# KiCad board SparkFun_IoT_RedBoard-RP2350_panelized.kicad_pcb (continued)
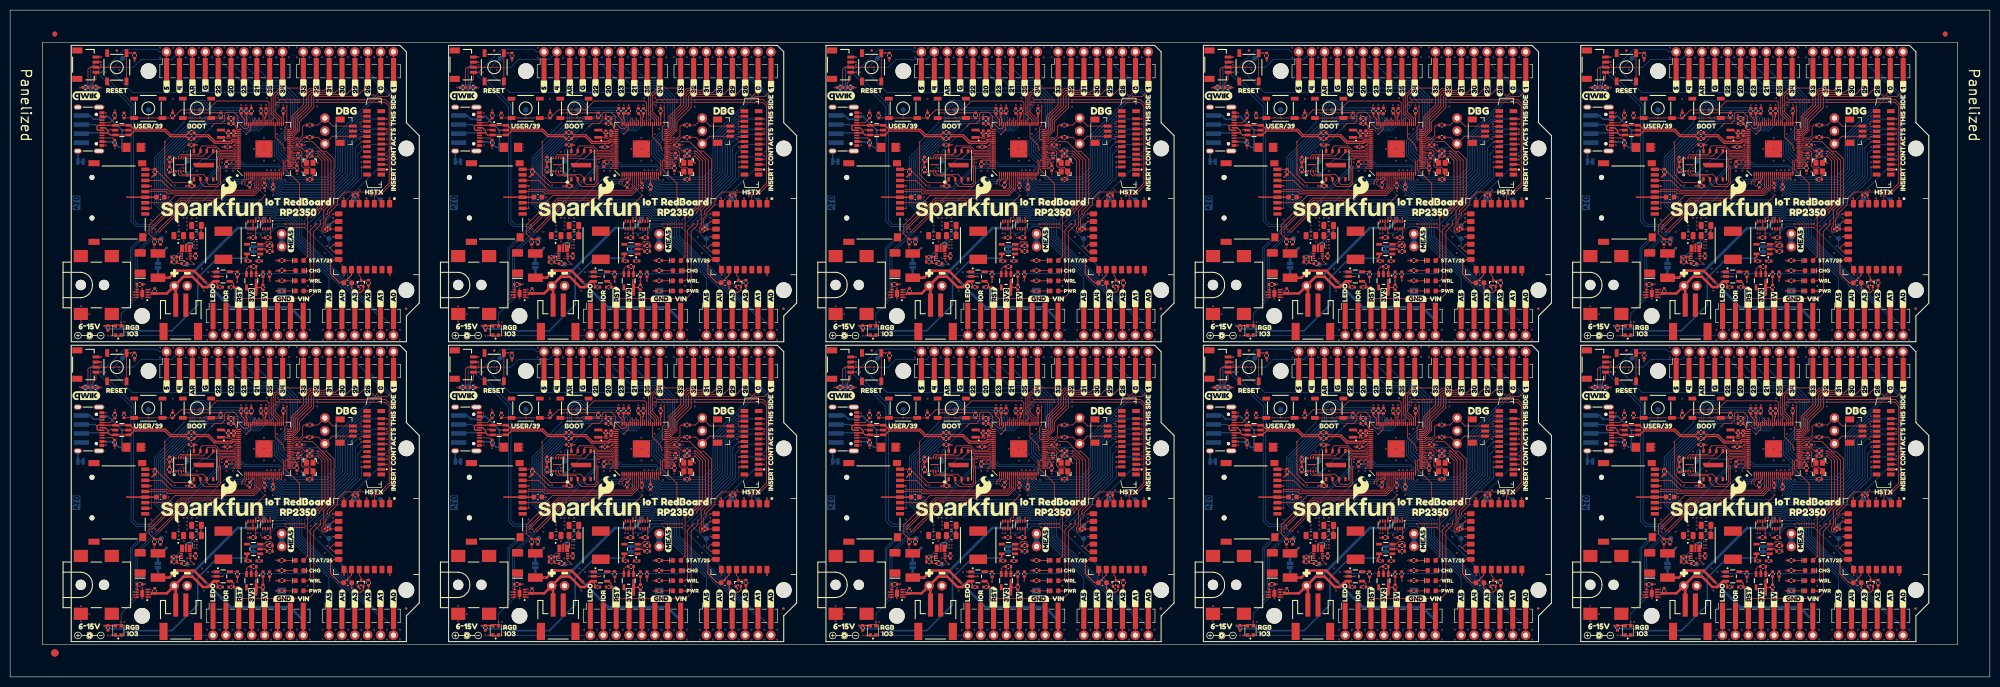
[diagram p0: board, top side]
## Routing (per net, layer and track width the routed paths; a pad name or vN(x,y) marks a point on that pad's centre or on a via; arc(x,y) is an arc through that point) (continued)
/Core/5V_SRC: length 349.1
  Top w0.15: v1(55.92,102.33) 55.62,102.33 55.27,102.68 U1#6.27 ; U6#8.8 v1(271.45,28.36) 271.45,27.47 R18.1 ; U6.8 v1(48.37,28.36) 48.37,27.47 R18#10.1 ; U6#7.8 v1(271.45,87.48) 271.45,86.59 R18#3.1 ; R18#7.1 122.73,27.47 v1(122.73,28.36) U6#4.8 ; v1(358.01,44.06) 358.11,44.06 359.46,42.71 359.46,34.26 v1(358.06,32.86) ; U1#10.27 352.71,43.56 353.06,43.21 v1(353.36,43.21) ; U6#6.8 v1(197.09,87.48) 197.09,86.59 R18#4.1 ; v1(283.65,103.18) 283.75,103.18 285.1,101.83 285.1,93.38 v1(283.7,91.98) ; v1(209.29,103.18) 209.39,103.18 210.74,101.83 210.74,93.38 v1(209.34,91.98) ; v1(60.62,32.86) 62.02,34.26 62.02,42.71 60.67,44.06 v1(60.57,44.06) ; v1(54.12,30.16) v1(58.02,30.16) ; U1#8.27 278.35,43.56 278.7,43.21 v1(279,43.21) ; U1#7.27 203.99,43.56 204.34,43.21 v1(204.64,43.21) ; U1#3.27 203.99,102.68 204.34,102.33 v1(204.64,102.33) ; v1(128.48,30.16) v1(132.38,30.16) ; v1(202.84,30.16) v1(206.74,30.16) ; U6#9.8 v1(197.09,28.36) 197.09,27.47 R18#5.1 ; U1#9.27 352.71,102.68 353.06,102.33 v1(353.36,102.33) ; v1(351.56,30.16) v1(355.46,30.16) ; v1(128.48,89.28) v1(132.38,89.28) ; R18#6.1 345.81,86.59 v1(345.81,87.48) U6#5.8 ; v1(130.28,43.21) 129.98,43.21 129.63,43.56 U1#4.27 ; v1(283.65,44.06) 283.75,44.06 285.1,42.71 285.1,34.26 v1(283.7,32.86) ; U1.27 55.27,43.56 55.62,43.21 v1(55.92,43.21) ; U6#10.8 v1(345.81,28.36) 345.81,27.47 R18#2.1 ; v1(134.98,32.86) 136.38,34.26 136.38,42.71 135.03,44.06 v1(134.93,44.06) ; v1(130.28,102.33) 129.98,102.33 129.63,102.68 U1#5.27 ; v1(351.56,89.28) v1(355.46,89.28) ; v1(134.98,91.98) 136.38,93.38 136.38,101.83 135.03,103.18 v1(134.93,103.18) ; v1(209.29,44.06) 209.39,44.06 210.74,42.71 210.74,34.26 v1(209.34,32.86) ; v1(279,102.33) 278.7,102.33 278.35,102.68 U1#2.27 ; v1(202.84,89.28) v1(206.74,89.28) ; R18#8.1 122.73,86.59 v1(122.73,87.48) U6#3.8 ; v1(358.01,103.18) 358.11,103.18 359.46,101.83 359.46,93.38 v1(358.06,91.98) ; v1(54.12,89.28) v1(58.02,89.28) ; v1(60.62,91.98) 62.02,93.38 62.02,101.83 60.67,103.18 v1(60.57,103.18) ; R18#9.1 48.37,86.59 v1(48.37,87.48) U6#2.8 ; v1(277.2,89.28) v1(281.1,89.28) ; v1(277.2,30.16) v1(281.1,30.16)
  Bottom w0.15: v1(134.98,91.98) 134.33,91.98 132.38,90.03 v1(132.38,89.28) ; v1(345.81,28.36) 347.51,28.36 349.31,30.16 v1(351.56,30.16) ; v1(197.09,28.36) 198.79,28.36 200.59,30.16 v1(202.84,30.16) ; v1(209.34,32.86) 208.69,32.86 206.74,30.91 v1(206.74,30.16) ; v1(358.06,91.98) 357.41,91.98 355.46,90.03 v1(355.46,89.28) ; v1(277.2,30.16) 274.95,30.16 273.15,28.36 v1(271.45,28.36) ; v1(55.92,43.21) 57.67,43.21 58.52,44.06 v1(60.57,44.06) ; v1(134.93,103.18) 132.88,103.18 132.03,102.33 v1(130.28,102.33) ; v1(128.48,89.28) 126.23,89.28 124.43,87.48 v1(122.73,87.48) ; v1(283.65,44.06) 281.6,44.06 280.75,43.21 v1(279,43.21) ; v1(345.81,87.48) 347.51,87.48 349.31,89.28 v1(351.56,89.28) ; v1(55.92,102.33) 57.67,102.33 58.52,103.18 v1(60.57,103.18) ; v1(277.2,89.28) 274.95,89.28 273.15,87.48 v1(271.45,87.48) ; v1(206.74,89.28) 206.74,90.03 208.69,91.98 v1(209.34,91.98) ; v1(209.29,44.06) 207.24,44.06 206.39,43.21 v1(204.64,43.21) ; v1(130.28,43.21) 132.03,43.21 132.88,44.06 v1(134.93,44.06) ; v1(358.01,103.18) 355.96,103.18 355.11,102.33 v1(353.36,102.33) ; v1(58.02,89.28) 58.02,90.03 59.97,91.98 v1(60.62,91.98) ; v1(353.36,43.21) 355.11,43.21 355.96,44.06 v1(358.01,44.06) ; v1(54.12,89.28) 51.87,89.28 50.07,87.48 v1(48.37,87.48) ; v1(202.84,89.28) 200.59,89.28 198.79,87.48 v1(197.09,87.48) ; v1(122.73,28.36) 124.43,28.36 126.23,30.16 v1(128.48,30.16) ; v1(60.62,32.86) 59.97,32.86 58.02,30.91 v1(58.02,30.16) ; v1(281.1,30.16) 281.1,30.91 283.05,32.86 v1(283.7,32.86) ; v1(279,102.33) 280.75,102.33 281.6,103.18 v1(283.65,103.18) ; v1(48.37,28.36) 50.07,28.36 51.87,30.16 v1(54.12,30.16) ; v1(281.1,89.28) 281.1,90.03 283.05,91.98 v1(283.7,91.98) ; v1(134.98,32.86) 134.33,32.86 132.38,30.91 v1(132.38,30.16) ; v1(358.06,32.86) 357.41,32.86 355.46,30.91 v1(355.46,30.16) ; v1(204.64,102.33) 206.39,102.33 207.24,103.18 v1(209.29,103.18)
/Core/VIN_MEAS: length 417
  Top w0.15: R28#10.1 R29#3.2 28.41,86.29 27.37,87.33 27.37,89.08 v1(31.82,93.53) ; R28#4.1 R29#5.2 325.85,27.17 324.81,28.21 324.81,29.96 v1(329.26,34.41) ; R28#9.1 R29#2.2 177.13,27.17 176.09,28.21 176.09,29.96 v1(180.54,34.41) ; R28#2.1 R29#9.2 325.85,86.29 324.81,87.33 324.81,89.08 v1(329.26,93.53) ; v1(31.82,34.41) 27.37,29.96 27.37,28.21 28.41,27.17 R29#10.2 R28.1 ; U1#2.57 270.5,107.88 v1(269.6,106.98) ; R28#5.1 R29#6.2 177.13,86.29 176.09,87.33 176.09,89.08 v1(180.54,93.53) ; R28#8.1 R29.2 102.77,86.29 101.73,87.33 101.73,89.08 v1(106.18,93.53) ; R28#7.1 R29#4.2 102.77,27.17 101.73,28.21 101.73,29.96 v1(106.18,34.41) ; U1#6.57 47.42,107.88 v1(46.52,106.98) ; v1(343.96,47.86) 344.86,48.76 U1#10.57 ; U1#9.57 344.86,107.88 v1(343.96,106.98) ; v1(195.24,106.98) 196.14,107.88 U1#3.57 ; U1#7.57 196.14,48.76 v1(195.24,47.86) ; v1(269.6,47.86) 270.5,48.76 U1#8.57 ; U1#5.57 121.78,107.88 v1(120.88,106.98) ; v1(46.52,47.86) 47.42,48.76 U1.57 ; R28#6.1 R29#7.2 251.49,86.29 250.45,87.33 250.45,89.08 v1(254.9,93.53) ; v1(120.88,47.86) 121.78,48.76 U1#4.57 ; v1(254.9,34.41) 250.45,29.96 250.45,28.21 251.49,27.17 R29#8.2 R28#3.1
  Bottom w0.15: TP1#8.1 104.05,27.17 v1(103.38,27.17) ; TP1#6.1 178.41,27.17 v1(177.74,27.17) ; TP1.1 29.69,27.17 v1(29.02,27.17) ; v1(31.82,34.41) 31.79,34.41 30.87,35.33 30.87,41.86 39.02,50.01 44.37,50.01 v1(46.52,47.86) ; v1(120.88,106.98) 118.73,109.13 113.38,109.13 105.23,100.98 105.23,94.45 106.15,93.53 v1(106.18,93.53) ; v1(343.96,47.86) 341.81,50.01 336.46,50.01 328.31,41.86 328.31,35.33 329.23,34.41 v1(329.26,34.41) ; v1(29.02,86.29) 29.69,86.29 TP1#4.1 ; v1(329.26,93.53) 329.23,93.53 328.31,94.45 328.31,100.98 336.46,109.13 341.81,109.13 v1(343.96,106.98) ; v1(326.46,27.17) 327.13,27.17 TP1#9.1 ; v1(31.82,93.53) 31.79,93.53 30.87,94.45 30.87,100.98 39.02,109.13 44.37,109.13 v1(46.52,106.98) ; v1(326.46,86.29) 327.13,86.29 TP1#10.1 ; TP1#2.1 178.41,86.29 v1(177.74,86.29) ; v1(252.1,27.17) 252.77,27.17 TP1#7.1 ; v1(120.88,47.86) 118.73,50.01 113.38,50.01 105.23,41.86 105.23,35.33 106.15,34.41 v1(106.18,34.41) ; TP1#5.1 104.05,86.29 v1(103.38,86.29) ; v1(180.54,93.53) 180.51,93.53 179.59,94.45 179.59,100.98 187.74,109.13 193.09,109.13 v1(195.24,106.98) ; v1(269.6,47.86) 267.45,50.01 262.1,50.01 253.95,41.86 253.95,35.33 254.87,34.41 v1(254.9,34.41) ; v1(254.9,93.53) 254.87,93.53 253.95,94.45 253.95,100.98 262.1,109.13 267.45,109.13 v1(269.6,106.98) ; v1(252.1,86.29) 252.77,86.29 TP1#3.1 ; v1(195.24,47.86) 193.09,50.01 187.74,50.01 179.59,41.86 179.59,35.33 180.51,34.41 v1(180.54,34.41)
GND: length 392.4
  Top w0.2: U11#4.2 v1(344.96,80.18) ; U8#3.1 176.29,15.71 v1(176.34,15.66) ; v1(315.36,63.06) 315.35,63.07 J13#5.1 ; v1(70.22,35.26) 70.27,35.21 U2.A4 ; J8#5.4 H1#7.GND 187.14,123.19 ; v1(176.34,74.78) 176.29,74.83 U8#7.1 ; v1(149.08,94.38) 149.13,94.33 U2#7.A1 ; U8#7.6 173.19,75.83 v1(173.14,75.88) ; R30#6.1 v1(201.14,78.08) ; C32#7.2 v1(347.26,78.08) C29#5.2 ; v1(348.61,90.48) 348.71,90.38 U7#4.1 ; R27#5.1 v1(193.49,77.83) ; U8#2.4 101.93,76.33 v1(101.98,76.38) ; U2#8.A7 214.49,94.33 v1(214.44,94.38) ; v1(49.22,30.96) 49.48,30.7 U7.4 ; R25#3.1 v1(124.57,25.21) U10#7.2 ; v1(345.86,31.36) 345.81,31.31 U6#10.1 ; R15#4.1 v1(293.7,17.46) ; U2#7.A4 144.63,94.33 v1(144.58,94.38) ; R31#2.1 v1(52.42,82.08) ; R27#10.1 v1(342.21,18.71) ; v1(297.9,79.18) 297.85,79.23 U2#4.C7 ; U7#5.1 125.63,90.38 v1(125.53,90.48) ; v1(372.16,35.26) 372.21,35.21 U2#10.A1 ; v1(297.8,94.38) 297.85,94.33 U2#4.A1 ; v1(265.05,19.81) U9#9.2 v1(262.85,19.81) ; C32#9.2 v1(347.26,18.96) C29#4.2 ; J8#8.4 H1#3.GND 335.86,64.07 ; U2#8.A1 223.49,94.33 v1(223.44,94.38) ; R27#3.1 v1(119.13,18.71) ; U6.4 46.87,30.46 v1(46.52,30.11) ; v1(176.34,17.26) 176.29,17.21 U8#3.4 ; C6.1 44.44,48.54 44.62,48.36 U1.62 ; v1(27.62,74.78) 27.57,74.83 U8#6.1 ; J13#3.1 315.35,122.19 v1(315.36,122.18) ; v1(176.54,96.78) 176.52,96.76 J14#4.6 ; U2#5.A7 363.21,94.33 v1(363.16,94.38) ; J14#8.6 325.24,37.64 v1(325.26,37.66) ; U2#4.C1 288.85,79.23 v1(288.9,79.18) ; v1(17.92,122.18) 17.91,122.19 J13#6.1 ; U6#10.4 344.31,30.46 v1(343.96,30.11) ; C29#7.2 v1(272.9,78.08) C32#6.2 ; v1(100.38,74.58) U8#2.9 v1(100.38,76.58) ; U6#8.4 269.95,30.46 v1(269.6,30.11) ; J1#2.7 H1#2.GND ; U2#2.C7 149.13,20.11 v1(149.18,20.06) ; v1(173.14,16.76) 173.19,16.71 U8#3.6 ; U2#2.A1 149.13,35.21 v1(149.08,35.26) ; U6#9.1 197.09,31.31 v1(197.14,31.36) ; J13#4.1 92.27,63.07 v1(92.28,63.06) ; U2#10.A7 363.21,35.21 v1(363.16,35.26) ; R15.1 v1(293.7,76.58) ; U2#9.C7 297.85,20.11 v1(297.9,20.06) ; v1(272.3,90.08) 272.56,89.82 U7#9.4 ; v1(188.49,19.81) U9#7.2 v1(190.69,19.81) ; U6#6.1 197.09,90.43 v1(197.14,90.48) ; 265.12,45.36 v1(264.9,45.36) ; U2#2.A4 144.63,35.21 v1(144.58,35.26) ; 335.86,123.19 H1#9.GND J8#9.4 ; v1(65.72,94.38) 65.77,94.33 U2#6.A7 ; R31#4.1 v1(126.78,82.08) ; U2#5.B4 v1(361.06,86.78) ; U2#9.B4 v1(286.7,27.66) ; U11#10.2 v1(344.96,21.06) ; U6#2.4 46.87,89.58 v1(46.52,89.23) ; v1(325.26,96.78) 325.24,96.76 J14#10.6 ; v1(339.41,19.81) U9#2.2 v1(337.21,19.81) ; v1(249.1,74.58) U8#8.9 v1(249.1,76.58) ; U2#9.C1 288.85,20.11 v1(288.9,20.06) ; v1(168.49,107.88) 169.44,107.88 ; J14#9.6 250.88,96.76 v1(250.9,96.78) ; U2#3.B4 v1(212.34,27.66) ; C27#10.2 v1(51.12,18.96) ; U6#3.4 121.23,89.58 v1(120.88,89.23) ; R27#9.1 v1(342.21,77.83) ; v1(339.41,78.93) U9#10.2 v1(337.21,78.93) ; C29#9.2 v1(198.54,18.96) C32#4.2 ; v1(325.06,17.26) 325.01,17.21 U8#10.4 ; 190.76,45.36 v1(190.54,45.36) ; v1(176.34,76.38) 176.29,76.33 U8#7.4 ; J8#10.4 H1#8.GND 261.5,123.19 ; v1(372.26,79.18) 372.21,79.23 U2#5.C7 ; R30#4.1 v1(52.42,78.08) ; 116.4,45.36 v1(116.18,45.36) ; U8#5.6 247.55,16.71 v1(247.5,16.76) ; v1(346.66,90.08) 346.92,89.82 U7#4.4 ; U2#6.A4 70.27,94.33 v1(70.22,94.38) ; 261.5,64.07 H1#2.GND J8#6.4 ; v1(166.64,122.18) 166.63,122.19 J13#9.1 ; R30#7.1 v1(126.78,18.96) ; v1(242.85,48.76) 243.8,48.76 ; U6#5.4 344.31,89.58 v1(343.96,89.23) ; v1(197.94,30.96) 198.2,30.7 U7#8.4 ; v1(39.77,78.93) U9#3.2 v1(41.97,78.93) ; U7#3.1 274.35,31.26 v1(274.25,31.36) ; J1.6 H1#9.GND ; J14#2.6 27.8,96.76 v1(27.82,96.78) ; U10#5.2 v1(273.29,25.21) R25#4.1 ; U10#8.2 v1(124.57,84.33) R25#2.1 ; v1(321.86,16.76) 321.91,16.71 U8#10.6 ; U2#4.B4 v1(286.7,86.78) ; v1(323.46,74.58) U8#9.9 v1(323.46,76.58) ; v1(297.8,35.26) 297.85,35.21 U2#9.A1 ; U10#3.2 v1(50.21,84.33) R25#5.1 ; 38.42,64.07 H1#10.GND J8.4 ; U2#3.A4 218.99,35.21 v1(218.94,35.26) ; v1(174.74,17.46) U8#3.9 v1(174.74,15.46) ; J1#10.7 H1#10.GND ; 187.14,64.07 H1.GND J8#7.4 ; R15#3.1 v1(144.98,76.58) ; v1(195.24,89.23) 195.59,89.58 U6#6.4 ; v1(101.98,15.66) 101.93,15.71 U8#4.1 ; v1(197.94,90.08) 198.2,89.82 U7#2.4 ; U11#3.2 v1(270.6,21.06) ; 116.4,104.48 v1(116.18,104.48) ; v1(102.18,37.66) 102.16,37.64 J14#5.6 ; R25#7.1 v1(198.93,84.33) U10#2.2 ; J1#5.6 H1#6.GND ; U1#7.62 193.34,48.36 193.16,48.54 C6#6.1 ; U2#5.A1 372.21,94.33 v1(372.16,94.38) ; 190.76,104.48 v1(190.54,104.48) ; v1(247.5,75.88) 247.55,75.83 U8#8.6 ; v1(48.42,90.48) 48.37,90.43 U6#2.1 ; U11#2.2 v1(196.24,80.18) ; v1(323.46,17.46) U8#10.9 v1(323.46,15.46) ; v1(199.89,90.48) 199.99,90.38 U7#2.1 ; v1(123.58,30.96) 123.84,30.7 U7#7.4 ; C32.2 v1(124.18,18.96) C29#2.2 ; v1(122.78,31.36) 122.73,31.31 U6#4.1 ; U2#4.A7 288.85,94.33 v1(288.8,94.38) ; R31#8.1 v1(349.86,22.96) ; 265.12,104.48 v1(264.9,104.48) ; v1(325.06,76.38) 325.01,76.33 U8#9.4 ; U8#2.1 101.93,74.83 v1(101.98,74.78) ; v1(41.97,19.81) U9.2 v1(39.77,19.81) ; U2.C1 65.77,20.11 v1(65.82,20.06) ; R25.1 v1(50.21,25.21) U10.2 ; J1#3.7 H1#5.GND ; R25#9.1 v1(347.65,84.33) U10#10.2 ; U8#5.1 250.65,15.71 v1(250.7,15.66) ; R30#5.1 v1(201.14,18.96) ; v1(199.89,31.36) 199.99,31.26 U7#8.1 ; v1(125.53,31.36) 125.63,31.26 U7#7.1 ; U2#7.C7 149.13,79.23 v1(149.18,79.18) ; U7#6.1 51.27,90.38 v1(51.17,90.48) ; v1(293.3,35.26) 293.35,35.21 U2#9.A4 ; 112.78,64.07 H1#4.GND J8#4.4 ; 339.48,45.36 v1(339.26,45.36) ; J13#8.1 240.99,122.19 v1(241,122.18) ; v1(74.72,35.26) 74.77,35.21 U2.A1 ; U2#2.A7 140.13,35.21 v1(140.08,35.26) ; U1#2.62 267.7,107.48 267.52,107.66 C6#5.1 ; v1(120.88,30.11) 121.23,30.46 U6#4.4 ; v1(100.38,17.46) U8#4.9 v1(100.38,15.46) ; U8.1 27.57,15.71 v1(27.62,15.66) ; v1(17.92,63.06) 17.91,63.07 J13.1 ; J8#3.4 H1#5.GND 38.42,123.19 ; v1(363.26,79.18) 363.21,79.23 U2#5.C1 ; v1(218.94,94.38) 218.99,94.33 U2#8.A4 ; v1(98.78,16.76) 98.83,16.71 U8#4.6 ; U8#4.4 101.93,17.21 v1(101.98,17.26) ; v1(195.24,30.11) 195.59,30.46 U6#9.4 ; v1(271.5,90.48) 271.45,90.43 U6#7.1 ; v1(223.44,35.26) 223.49,35.21 U2#3.A1 ; v1(321.86,75.88) 321.91,75.83 U8#9.6 ; U2#7.A7 140.13,94.33 v1(140.08,94.38) ; v1(249.1,17.46) U8#5.9 v1(249.1,15.46) ; v1(122.78,90.48) 122.73,90.43 U6#3.1 ; J14#3.6 176.52,37.64 v1(176.54,37.66) ; v1(65.72,35.26) 65.77,35.21 U2.A7 ; v1(24.42,16.76) 24.47,16.71 U8.6 ; C6#8.1 118.8,48.54 118.98,48.36 U1#4.62 ; R27#4.1 v1(193.49,18.71) ; v1(26.02,17.46) U8.9 v1(26.02,15.46) ; v1(250.7,17.26) 250.65,17.21 U8#5.4 ; R30#3.1 v1(275.5,78.08) ; J1#10.6 H1#10.GND ; R30#10.1 v1(349.86,78.08) ; U2#10.A4 367.71,35.21 v1(367.66,35.26) ; v1(92.28,122.18) 92.27,122.19 J13#7.1 ; U11#6.2 v1(47.52,80.18) ; v1(48.42,31.36) 48.37,31.31 U6.1 ; U2#8.C7 223.49,79.23 v1(223.54,79.18) ; v1(250.7,76.38) 250.65,76.33 U8#8.4 ; J8#2.4 H1#6.GND 112.78,123.19 ; v1(214.44,35.26) 214.49,35.21 U2#3.A7 ; v1(166.64,63.06) 166.63,63.07 J13#2.1 ; U2#3.C1 214.49,20.11 v1(214.54,20.06) ; C29#10.2 v1(272.9,18.96) C32#5.2 ; C27.2 v1(125.48,18.96) ; U1#9.62 342.06,107.48 341.88,107.66 C6#10.1 ; J1#6.7 H1.GND ; U2#9.A7 288.85,35.21 v1(288.8,35.26) ; C6#4.1 267.52,48.54 267.7,48.36 U1#8.62 ; v1(190.69,78.93) U9#4.2 v1(188.49,78.93) ; U2#10.C1 363.21,20.11 v1(363.26,20.06) ; v1(241,63.06) 240.99,63.07 J13#10.1 ; U2#3.C7 223.49,20.11 v1(223.54,20.06) ; R30#8.1 v1(275.5,18.96) ; C32#8.2 v1(198.54,78.08) C29#8.2 ; v1(293.3,94.38) 293.35,94.33 U2#4.A4 ; v1(274.25,90.48) 274.35,90.38 U7#9.1 ; U1#3.62 193.34,107.48 193.16,107.66 C6#9.1 ; J1#2.6 H1#2.GND ; v1(174.74,74.58) U8#7.9 v1(174.74,76.58) ; R25#10.1 v1(273.29,84.33) U10#9.2 ; v1(123.58,90.08) 123.84,89.82 U7#5.4 ; v1(51.17,31.36) 51.27,31.26 U7.1 ; U8#6.4 27.57,76.33 v1(27.62,76.38) ; R30#9.1 v1(349.86,18.96) ; J1#3.6 H1#5.GND ; R15#9.1 v1(368.06,17.46) ; C27#7.2 v1(199.84,78.08) ; v1(102.18,96.78) 102.16,96.76 J14#6.6 ; R31#6.1 v1(201.14,22.96) ; R31#5.1 v1(275.5,22.96) ; U2#10.B4 v1(361.06,27.66) ; J1#7.6 H1#4.GND ; C27#9.2 v1(348.56,18.96) ; J1#9.7 H1#3.GND ; U7#10.4 346.92,30.7 v1(346.66,30.96) ; v1(116.33,19.81) U9#5.2 v1(114.13,19.81) ; R30.1 v1(52.42,18.96) ; v1(269.6,89.23) 269.95,89.58 U6#7.4 ; U7#10.1 348.71,31.26 v1(348.61,31.36) ; v1(265.05,78.93) U9#8.2 v1(262.85,78.93) ; v1(140.18,20.06) 140.13,20.11 U2#2.C1 ; R15#5.1 v1(70.62,76.58) ; U2.C7 74.77,20.11 v1(74.82,20.06) ; v1(94.13,48.76) 95.08,48.76 ; v1(26.02,74.58) U8#6.9 v1(26.02,76.58) ; v1(98.78,75.88) 98.83,75.83 U8#2.6 ; v1(214.54,79.18) 214.49,79.23 U2#8.C1 ; v1(74.72,94.38) 74.77,94.33 U2#6.A1 ; R27.1 v1(44.77,18.71) ; U2#8.B4 v1(212.34,86.78) ; v1(367.66,94.38) 367.71,94.33 U2#5.A4 ; C27#6.2 v1(125.48,78.08) ; v1(94.13,107.88) 95.08,107.88 ; R15#10.1 v1(70.62,17.46) ; U2.B4 v1(63.62,27.66) ; v1(140.18,79.18) 140.13,79.23 U2#7.C1 ; v1(372.26,20.06) 372.21,20.11 U2#10.C7 ; U1#5.62 118.98,107.48 118.8,107.66 C6#2.1 ; C29.2 v1(49.82,18.96) C32#10.2 ; C29#3.2 v1(49.82,78.08) C32#2.2 ; J1#8.7 H1#8.GND ; U2#6.B4 v1(63.62,86.78) ; C32#3.2 v1(124.18,78.08) C29#6.2 ; J14#7.6 250.88,37.64 v1(250.9,37.66) ; R31#3.1 v1(126.78,22.96) ; v1(317.21,48.76) 318.16,48.76 ; U7#6.4 49.48,89.82 v1(49.22,90.08) ; R31#10.1 v1(52.42,22.96) ; U10#4.2 v1(347.65,25.21) R25#8.1 ; U8#9.1 325.01,74.83 v1(325.06,74.78) ; U7#3.4 272.56,30.7 v1(272.3,30.96) ; U11#5.2 v1(121.88,80.18) ; R30#2.1 v1(126.78,78.08) ; v1(242.85,107.88) 243.8,107.88 ; R15#2.1 v1(144.98,17.46) ; R15#7.1 v1(219.34,76.58) ; J1#4.7 H1#7.GND ; C6#7.1 44.44,107.66 44.62,107.48 U1#6.62 ; R27#2.1 v1(267.85,77.83) ; U2#7.B4 v1(137.98,86.78) ; v1(114.13,78.93) U9#6.2 v1(116.33,78.93) ; v1(345.86,90.48) 345.81,90.43 U6#5.1 ; C27#2.2 v1(51.12,78.08) ; U2#6.C7 74.77,79.23 v1(74.82,79.18) ; U11#7.2 v1(121.88,21.06) ; v1(27.62,17.26) 27.57,17.21 U8.4 ; U1#10.62 342.06,48.36 341.88,48.54 C6#3.1 ; R31#9.1 v1(349.86,82.08) ; U6#8.1 271.45,31.31 v1(271.5,31.36) ; R15#6.1 v1(219.34,17.46) ; R25#6.1 v1(198.93,25.21) U10#6.2 ; U11#9.2 v1(270.6,80.18) ; R15#8.1 v1(368.06,76.58) ; C27#8.2 v1(274.2,78.08) ; U11#8.2 v1(196.24,21.06) ; U2#6.C1 65.77,79.23 v1(65.82,79.18) ; R27#6.1 v1(44.77,77.83) ; 42.04,45.36 v1(41.82,45.36) ; U2#2.B4 v1(137.98,27.66) ; R31#7.1 v1(275.5,82.08) ; J1#6.6 H1.GND ; J14.6 27.8,37.64 v1(27.82,37.66) ; 42.04,104.48 v1(41.82,104.48) ; U8#10.1 325.01,15.71 v1(325.06,15.66) ; v1(168.49,48.76) 169.44,48.76 ; R27#7.1 v1(119.13,77.83) ; v1(24.42,75.88) 24.47,75.83 U8#6.6 ; R31.1 v1(201.14,82.08) ; J1#4.6 H1#7.GND ; C27#3.2 v1(274.2,18.96) ; U11.2 v1(47.52,21.06) ; J1#8.6 H1#8.GND ; J1#5.7 H1#6.GND ; v1(250.7,74.78) 250.65,74.83 U8#8.1 ; J1.7 H1#9.GND ; v1(19.77,107.88) 20.72,107.88 ; J1#7.7 H1#4.GND ; C27#4.2 v1(348.56,78.08) ; 339.48,104.48 v1(339.26,104.48) ; R27#8.1 v1(267.85,18.71) ; J1#9.6 H1#3.GND ; v1(19.77,48.76) 20.72,48.76 ; v1(317.21,107.88) 318.16,107.88 ; C27#5.2 v1(199.84,18.96)
  vias: v1(13.92,73.08) v1(13.92,70.08) v1(13.92,13.96) v1(13.92,10.96) v1(15.62,71.48) v1(15.62,12.36) v1(17.92,120.68) v1(17.92,61.56) v1(18.77,119.18) v1(18.77,60.06) v1(18.92,111.18) v1(18.92,104.78) v1(18.92,52.06) v1(18.92,45.66) v1(19.27,67.28) v1(19.27,8.16) v1(20.62,111.78) v1(20.62,104.18) v1(20.62,52.66) v1(20.62,45.06) v1(21.52,119.68) v1(21.52,60.56) v1(22.52,69.93) v1(22.52,10.81) v1(22.87,67.93) v1(22.87,8.81) v1(23.97,74.38) v1(23.97,15.26) v1(27.82,90.13) v1(27.82,31.01) v1(27.97,87.63) v1(27.97,28.51) v1(28.42,84.63) v1(28.42,25.51) v1(28.57,88.23) v1(28.57,29.11) v1(29.57,124.03) v1(29.57,122.08) v1(29.57,64.91) v1(29.57,62.96) v1(30.72,87.73) v1(30.72,28.61) v1(31.27,94.58) v1(31.27,35.46) v1(32.02,113.98) v1(32.02,54.86) v1(32.12,124.03) v1(32.12,64.91) v1(32.42,96.88) v1(32.42,37.76) v1(33.22,89.73) v1(33.22,88.98) v1(33.22,88.18) v1(33.22,86.98) v1(33.22,30.61) v1(33.22,29.86) v1(33.22,29.06) v1(33.22,27.86) v1(34.17,103.53) v1(34.17,100.28) v1(34.17,90.48) v1(34.17,85.83) v1(34.17,44.41) v1(34.17,41.16) v1(34.17,31.36) v1(34.17,26.71) v1(34.62,124.03) v1(34.62,122.08) v1(34.62,64.91) v1(34.62,62.96) v1(34.87,90.48) v1(34.87,89.73) v1(34.87,88.98) v1(34.87,88.18) v1(34.82,82.48) v1(34.87,31.36) v1(34.87,30.61) v1(34.87,29.86) v1(34.87,29.06) v1(34.82,23.36) v1(35.77,90.48) v1(35.77,31.36) v1(36.27,85.83) v1(36.27,85.13) v1(36.27,84.48) v1(36.27,26.71) v1(36.27,26.01) v1(36.27,25.36) v1(36.77,90.48) v1(36.77,88.98) v1(36.77,87.98) v1(36.77,85.83) v1(36.77,85.13) v1(36.77,84.48) v1(36.77,31.36) v1(36.77,29.86) v1(36.77,28.86) v1(36.77,26.71) v1(36.77,26.01) v1(36.77,25.36) v1(36.82,99.73) v1(36.82,40.61) v1(37.17,124.03) v1(37.17,122.08) v1(37.17,64.91) v1(37.17,62.96) v1(37.82,80.48) v1(37.82,21.36) v1(38.17,76.13) v1(38.17,17.01) v1(38.77,68.43) v1(38.77,66.48) v1(38.77,9.31) v1(38.77,7.36) v1(38.97,93.48) v1(38.97,79.78) v1(38.97,34.36) v1(38.97,20.66) v1(39.77,124.08) v1(39.77,122.13) v1(39.77,64.96) v1(39.77,63.01) v1(41.27,68.43) v1(41.27,66.48) v1(41.27,9.31) v1(41.27,7.36) v1(41.67,101.43) v1(41.67,42.31) v1(42.22,124.08) v1(42.22,122.13) v1(42.22,64.96) v1(42.22,63.01) v1(42.62,99.73) v1(42.62,40.61) v1(43.67,101.48) v1(43.67,42.36) v1(43.87,99.78) v1(43.82,68.43) v1(43.82,66.48) v1(43.87,40.66) v1(43.82,9.31) v1(43.82,7.36) v1(44.77,124.08) v1(44.77,122.13) v1(44.77,64.96) v1(44.77,63.01) v1(45.52,112.68) v1(45.52,53.56) v1(46.22,97.08) v1(46.22,37.96) v1(46.32,68.43) v1(46.32,66.48) v1(46.32,9.31) v1(46.32,7.36) v1(46.52,112.68) v1(46.52,53.56) v1(46.62,96.73) v1(46.62,37.61) v1(47.32,124.08) v1(47.32,122.13) v1(47.32,64.96) v1(47.32,63.01) v1(48.02,104.08) v1(48.02,44.96) v1(48.62,105.53) v1(48.62,102.63) v1(48.62,46.41) v1(48.62,43.51) v1(48.87,68.43) v1(48.87,66.48) v1(48.87,9.31) v1(48.87,7.36) v1(49.37,87.08) v1(49.37,27.96) v1(49.42,112.68) v1(49.42,53.56) v1(49.87,124.08) v1(49.87,122.13) v1(49.87,64.96) v1(49.87,63.01) v1(50.02,106.28) v1(50.02,104.08) v1(50.02,101.78) v1(50.02,47.16) v1(50.02,44.96) v1(50.02,42.66) v1(50.22,95.78) v1(50.22,36.66) v1(50.42,112.68) v1(50.42,53.56) v1(50.57,114.08) v1(50.57,54.96) v1(50.62,99.88) v1(50.62,40.76) v1(51.47,105.53) v1(51.47,103.38) v1(51.42,99.88) v1(51.42,68.43) v1(51.42,66.48) v1(51.47,46.41) v1(51.47,44.26) v1(51.42,40.76) v1(51.42,9.31) v1(51.42,7.36) v1(51.77,94.93) v1(51.77,35.81) v1(52.02,101.78) v1(52.02,42.66) v1(52.22,99.88) v1(52.22,40.76) v1(52.42,124.08) v1(52.42,122.13) v1(52.42,64.96) v1(52.42,63.01) v1(52.62,112.73) v1(52.62,106.98) v1(52.62,53.61) v1(52.62,47.86) v1(52.72,114.18) v1(52.72,55.06) v1(53.02,99.88) v1(53.02,40.76) v1(53.42,107.98) v1(53.42,48.86) v1(53.82,112.68) v1(53.82,53.56) v1(53.97,68.43) v1(53.97,66.48) v1(53.97,9.31) v1(53.97,7.36) v1(54.07,103.83) v1(54.07,44.71) v1(54.22,97.98) v1(54.22,38.86) v1(54.92,124.08) v1(54.92,122.13) v1(54.92,64.96) v1(54.92,63.01) v1(56.47,124.08) v1(56.47,122.13) v1(56.47,68.43) v1(56.47,66.48) v1(56.47,64.96) v1(56.47,63.01) v1(56.47,9.31) v1(56.47,7.36) v1(56.52,99.18) v1(56.52,40.06) v1(56.77,101.53) v1(56.77,42.41) v1(56.92,115.08) v1(56.92,55.96) v1(57.42,99.58) v1(57.42,40.46) v1(58.12,104.88) v1(58.12,45.76) v1(58.62,77.08) v1(58.62,17.96) v1(58.97,124.08) v1(58.97,122.13) v1(58.97,64.96) v1(58.97,63.01) v1(59.02,68.43) v1(59.02,66.48) v1(59.02,9.31) v1(59.02,7.36) v1(59.22,88.93) v1(59.22,29.81) v1(59.32,90.58) v1(59.32,31.46) v1(60.12,102.28) v1(60.12,43.16) v1(60.52,112.43) v1(60.52,53.31) v1(60.62,101.28) v1(60.62,42.16) v1(61.12,86.73) v1(61.12,27.61) v1(61.52,124.08) v1(61.52,122.13) v1(61.57,68.43) v1(61.57,66.48) v1(61.52,64.96) v1(61.52,63.01) v1(61.57,9.31) v1(61.57,7.36) v1(61.97,83.53) v1(61.97,24.41) v1(62.42,84.93) v1(62.42,25.81) v1(63.62,90.48) v1(63.62,31.36) v1(64.07,124.08) v1(64.07,122.13) v1(64.07,64.96) v1(64.07,63.01) v1(64.12,68.43) v1(64.12,66.48) v1(64.12,9.31) v1(64.12,7.36) v1(66.62,124.08) v1(66.62,122.13) v1(66.62,68.43) v1(66.62,66.48) v1(66.62,64.96) v1(66.62,63.01) v1(66.62,9.31) v1(66.62,7.36) v1(68.92,105.98) v1(68.92,95.98) v1(68.92,46.86) v1(68.92,36.86) v1(69.02,108.98) v1(69.02,49.86) v1(69.17,124.08) v1(69.17,122.13) v1(69.17,68.43) v1(69.17,66.48) v1(69.17,64.96) v1(69.17,63.01) v1(69.17,9.31) v1(69.17,7.36) v1(69.22,110.48) v1(69.22,107.48) v1(69.22,104.48) v1(69.22,101.48) v1(69.22,51.36) v1(69.22,48.36) v1(69.22,45.36) v1(69.22,42.36) v1(71.17,94.83) v1(71.17,35.71) v1(71.47,114.78) v1(71.47,55.66) v1(71.72,124.08) v1(71.72,122.13) v1(71.72,68.43) v1(71.72,66.48) v1(71.72,64.96) v1(71.72,63.01) v1(71.72,9.31) v1(71.72,7.36) v1(73.02,114.93) v1(73.02,55.81) v1(74.27,124.08) v1(74.27,122.13) v1(74.22,108.98) v1(74.22,107.48) v1(74.22,105.98) v1(74.22,102.68) v1(74.27,68.43) v1(74.27,66.48) v1(74.27,64.96) v1(74.27,63.01) v1(74.22,49.86) v1(74.22,48.36) v1(74.22,46.86) v1(74.22,43.56) v1(74.27,9.31) v1(74.27,7.36) v1(76.77,68.43) v1(76.77,66.48) v1(76.77,9.31) v1(76.77,7.36) v1(88.28,73.08) v1(88.28,70.08) v1(88.28,13.96) v1(88.28,10.96) v1(89.98,71.48) v1(89.98,12.36) v1(92.28,120.68) v1(92.28,61.56) v1(93.13,119.18) v1(93.13,60.06) v1(93.28,111.18) v1(93.28,104.78) v1(93.28,52.06) v1(93.28,45.66) v1(93.63,67.28) v1(93.63,8.16) v1(94.98,111.78) v1(94.98,104.18) v1(94.98,52.66) v1(94.98,45.06) v1(95.88,119.68) v1(95.88,60.56) v1(96.88,69.93) v1(96.88,10.81) v1(97.23,67.93) v1(97.23,8.81) v1(98.33,74.38) v1(98.33,15.26) v1(102.18,90.13) v1(102.18,31.01) v1(102.33,87.63) v1(102.33,28.51) v1(102.78,84.63) v1(102.78,25.51) v1(102.93,88.23) v1(102.93,29.11) v1(103.93,124.03) v1(103.93,122.08) v1(103.93,64.91) v1(103.93,62.96) v1(105.08,87.73) v1(105.08,28.61) v1(105.63,94.58) v1(105.63,35.46) v1(106.38,113.98) v1(106.38,54.86) v1(106.48,124.03) v1(106.48,64.91) v1(106.78,96.88) v1(106.78,37.76) v1(107.58,89.73) v1(107.58,88.98) v1(107.58,88.18) v1(107.58,86.98) v1(107.58,30.61) v1(107.58,29.86) v1(107.58,29.06) v1(107.58,27.86) v1(108.53,103.53) v1(108.53,100.28) v1(108.53,90.48) v1(108.53,85.83) v1(108.53,44.41) v1(108.53,41.16) v1(108.53,31.36) v1(108.53,26.71) v1(108.98,124.03) v1(108.98,122.08) v1(108.98,64.91) v1(108.98,62.96) v1(109.18,82.48) v1(109.18,23.36) v1(109.23,90.48) v1(109.23,89.73) v1(109.23,88.98) v1(109.23,88.18) v1(109.23,31.36) v1(109.23,30.61) v1(109.23,29.86) v1(109.23,29.06) v1(110.13,90.48) v1(110.13,31.36) v1(110.63,85.83) v1(110.63,85.13) v1(110.63,84.48) v1(110.63,26.71) v1(110.63,26.01) v1(110.63,25.36) v1(111.18,99.73) v1(111.13,90.48) v1(111.13,88.98) v1(111.13,87.98) v1(111.13,85.83) v1(111.13,85.13) v1(111.13,84.48) v1(111.18,40.61) v1(111.13,31.36) v1(111.13,29.86) v1(111.13,28.86) v1(111.13,26.71) v1(111.13,26.01) v1(111.13,25.36) v1(111.53,124.03) v1(111.53,122.08) v1(111.53,64.91) v1(111.53,62.96) v1(112.18,80.48) v1(112.18,21.36) v1(112.53,76.13) v1(112.53,17.01) v1(113.13,68.43) v1(113.13,66.48) v1(113.13,9.31) v1(113.13,7.36) v1(113.33,93.48) v1(113.33,79.78) v1(113.33,34.36) v1(113.33,20.66) v1(114.13,124.08) v1(114.13,122.13) v1(114.13,64.96) v1(114.13,63.01) v1(115.63,68.43) v1(115.63,66.48) v1(115.63,9.31) v1(115.63,7.36) v1(116.03,101.43) v1(116.03,42.31) v1(116.58,124.08) v1(116.58,122.13) v1(116.58,64.96) v1(116.58,63.01) v1(116.98,99.73) v1(116.98,40.61) v1(118.03,101.48) v1(118.03,42.36) v1(118.18,68.43) v1(118.18,66.48) v1(118.18,9.31) v1(118.18,7.36) v1(118.23,99.78) v1(118.23,40.66) v1(119.13,124.08) v1(119.13,122.13) v1(119.13,64.96) v1(119.13,63.01) v1(119.88,112.68) v1(119.88,53.56) v1(120.58,97.08) v1(120.58,37.96) v1(120.68,68.43) v1(120.68,66.48) v1(120.68,9.31) v1(120.68,7.36) v1(120.88,112.68) v1(120.88,53.56) v1(120.98,96.73) v1(120.98,37.61) v1(121.68,124.08) v1(121.68,122.13) v1(121.68,64.96) v1(121.68,63.01) v1(122.38,104.08) v1(122.38,44.96) v1(122.98,105.53) v1(122.98,102.63) v1(122.98,46.41) v1(122.98,43.51) v1(123.23,68.43) v1(123.23,66.48) v1(123.23,9.31) v1(123.23,7.36) v1(123.78,112.68) v1(123.73,87.08) v1(123.78,53.56) v1(123.73,27.96) v1(124.23,124.08) v1(124.23,122.13) v1(124.23,64.96) v1(124.23,63.01) v1(124.38,106.28) v1(124.38,104.08) v1(124.38,101.78) v1(124.38,47.16) v1(124.38,44.96) v1(124.38,42.66) v1(124.58,95.78) v1(124.58,36.66) v1(124.78,112.68) v1(124.78,53.56) v1(124.93,114.08) v1(124.98,99.88) v1(124.93,54.96) v1(124.98,40.76) v1(125.78,99.88) v1(125.78,68.43) v1(125.78,66.48) v1(125.78,40.76) v1(125.78,9.31) v1(125.78,7.36) v1(125.83,105.53) v1(125.83,103.38) v1(125.83,46.41) v1(125.83,44.26) v1(126.13,94.93) v1(126.13,35.81) v1(126.38,101.78) v1(126.38,42.66) v1(126.58,99.88) v1(126.58,40.76) v1(126.78,124.08) v1(126.78,122.13) v1(126.78,64.96) v1(126.78,63.01) v1(126.98,112.73) v1(126.98,106.98) v1(126.98,53.61) v1(126.98,47.86) v1(127.08,114.18) v1(127.08,55.06) v1(127.38,99.88) v1(127.38,40.76) v1(127.78,107.98) v1(127.78,48.86) v1(128.18,112.68) v1(128.18,53.56) v1(128.33,68.43) v1(128.33,66.48) v1(128.33,9.31) v1(128.33,7.36) v1(128.43,103.83) v1(128.43,44.71) v1(128.58,97.98) v1(128.58,38.86) v1(129.28,124.08) v1(129.28,122.13) v1(129.28,64.96) v1(129.28,63.01) v1(130.83,124.08) v1(130.83,122.13) v1(130.88,99.18) v1(130.83,68.43) v1(130.83,66.48) v1(130.83,64.96) v1(130.83,63.01) v1(130.88,40.06) v1(130.83,9.31) v1(130.83,7.36) v1(131.13,101.53) v1(131.13,42.41) v1(131.28,115.08) v1(131.28,55.96) v1(131.78,99.58) v1(131.78,40.46) v1(132.48,104.88) v1(132.48,45.76) v1(132.98,77.08) v1(132.98,17.96) v1(133.33,124.08) v1(133.33,122.13) v1(133.38,68.43) v1(133.38,66.48) v1(133.33,64.96) v1(133.33,63.01) v1(133.38,9.31) v1(133.38,7.36) v1(133.58,88.93) v1(133.58,29.81) v1(133.68,90.58) v1(133.68,31.46) v1(134.48,102.28) v1(134.48,43.16) v1(134.88,112.43) v1(134.88,53.31) v1(134.98,101.28) v1(134.98,42.16) v1(135.48,86.73) v1(135.48,27.61) v1(135.88,124.08) v1(135.88,122.13) v1(135.88,64.96) v1(135.88,63.01) v1(135.93,68.43) v1(135.93,66.48) v1(135.93,9.31) v1(135.93,7.36) v1(136.33,83.53) v1(136.33,24.41) v1(136.78,84.93) v1(136.78,25.81) v1(137.98,90.48) v1(137.98,31.36) v1(138.43,124.08) v1(138.43,122.13) v1(138.48,68.43) v1(138.48,66.48) v1(138.43,64.96) v1(138.43,63.01) v1(138.48,9.31) v1(138.48,7.36) v1(140.98,124.08) v1(140.98,122.13) v1(140.98,68.43) v1(140.98,66.48) v1(140.98,64.96) v1(140.98,63.01) v1(140.98,9.31) v1(140.98,7.36) v1(143.28,105.98) v1(143.28,95.98) v1(143.28,46.86) v1(143.28,36.86) v1(143.38,108.98) v1(143.38,49.86) v1(143.53,124.08) v1(143.53,122.13) v1(143.58,110.48) v1(143.58,107.48) v1(143.58,104.48) v1(143.58,101.48) v1(143.53,68.43) v1(143.53,66.48) v1(143.53,64.96) v1(143.53,63.01) v1(143.58,51.36) v1(143.58,48.36) v1(143.58,45.36) v1(143.58,42.36) v1(143.53,9.31) v1(143.53,7.36) v1(145.53,94.83) v1(145.53,35.71) v1(145.83,114.78) v1(145.83,55.66) v1(146.08,124.08) v1(146.08,122.13) v1(146.08,68.43) v1(146.08,66.48) v1(146.08,64.96) v1(146.08,63.01) v1(146.08,9.31) v1(146.08,7.36) v1(147.38,114.93) v1(147.38,55.81) v1(148.58,108.98) v1(148.58,107.48) v1(148.58,105.98) v1(148.58,102.68) v1(148.58,49.86) v1(148.58,48.36) v1(148.58,46.86) v1(148.58,43.56) v1(148.63,124.08) v1(148.63,122.13) v1(148.63,68.43) v1(148.63,66.48) v1(148.63,64.96) v1(148.63,63.01) v1(148.63,9.31) v1(148.63,7.36) v1(151.13,68.43) v1(151.13,66.48) v1(151.13,9.31) v1(151.13,7.36) v1(162.64,73.08) v1(162.64,70.08) v1(162.64,13.96) v1(162.64,10.96) v1(164.34,71.48) v1(164.34,12.36) v1(166.64,120.68) v1(166.64,61.56) v1(167.49,119.18) v1(167.49,60.06) v1(167.64,111.18) v1(167.64,104.78) v1(167.64,52.06) v1(167.64,45.66) v1(167.99,67.28) v1(167.99,8.16) v1(169.34,111.78) v1(169.34,104.18) v1(169.34,52.66) v1(169.34,45.06) v1(170.24,119.68) v1(170.24,60.56) v1(171.24,69.93) v1(171.24,10.81) v1(171.59,67.93) v1(171.59,8.81) v1(172.69,74.38) v1(172.69,15.26) v1(176.54,90.13) v1(176.54,31.01) v1(176.69,87.63) v1(176.69,28.51) v1(177.14,84.63) v1(177.14,25.51) v1(177.29,88.23) v1(177.29,29.11) v1(178.29,124.03) v1(178.29,122.08) v1(178.29,64.91) v1(178.29,62.96) v1(179.44,87.73) v1(179.44,28.61) v1(179.99,94.58) v1(179.99,35.46) v1(180.74,113.98) v1(180.74,54.86) v1(180.84,124.03) v1(180.84,64.91) v1(181.14,96.88) v1(181.14,37.76) v1(181.94,89.73) v1(181.94,88.98) v1(181.94,88.18) v1(181.94,86.98) v1(181.94,30.61) v1(181.94,29.86) v1(181.94,29.06) v1(181.94,27.86) v1(182.89,103.53) v1(182.89,100.28) v1(182.89,90.48) v1(182.89,85.83) v1(182.89,44.41) v1(182.89,41.16) v1(182.89,31.36) v1(182.89,26.71) v1(183.34,124.03) v1(183.34,122.08) v1(183.34,64.91) v1(183.34,62.96) v1(183.59,90.48) v1(183.59,89.73) v1(183.59,88.98) v1(183.59,88.18) v1(183.54,82.48) v1(183.59,31.36) v1(183.59,30.61) v1(183.59,29.86) v1(183.59,29.06) v1(183.54,23.36) v1(184.49,90.48) v1(184.49,31.36) v1(184.99,85.83) v1(184.99,85.13) v1(184.99,84.48) v1(184.99,26.71) v1(184.99,26.01) v1(184.99,25.36) v1(185.49,90.48) v1(185.49,88.98) v1(185.49,87.98) v1(185.49,85.83) v1(185.49,85.13) v1(185.49,84.48) v1(185.49,31.36) v1(185.49,29.86) v1(185.49,28.86) v1(185.49,26.71) v1(185.49,26.01) v1(185.49,25.36) v1(185.54,99.73) v1(185.54,40.61) v1(185.89,124.03) v1(185.89,122.08) v1(185.89,64.91) v1(185.89,62.96) v1(186.54,80.48) v1(186.54,21.36) v1(186.89,76.13) v1(186.89,17.01) v1(187.49,68.43) v1(187.49,66.48) v1(187.49,9.31) v1(187.49,7.36) v1(187.69,93.48) v1(187.69,79.78) v1(187.69,34.36) v1(187.69,20.66) v1(188.49,124.08) v1(188.49,122.13) v1(188.49,64.96) v1(188.49,63.01) v1(189.99,68.43) v1(189.99,66.48) v1(189.99,9.31) v1(189.99,7.36) v1(190.39,101.43) v1(190.39,42.31) v1(190.94,124.08) v1(190.94,122.13) v1(190.94,64.96) v1(190.94,63.01) v1(191.34,99.73) v1(191.34,40.61) v1(192.39,101.48) v1(192.39,42.36) v1(192.59,99.78) v1(192.54,68.43) v1(192.54,66.48) v1(192.59,40.66) v1(192.54,9.31) v1(192.54,7.36) v1(193.49,124.08) v1(193.49,122.13) v1(193.49,64.96) v1(193.49,63.01) v1(194.24,112.68) v1(194.24,53.56) v1(194.94,97.08) v1(194.94,37.96) v1(195.04,68.43) v1(195.04,66.48) v1(195.04,9.31) v1(195.04,7.36) v1(195.24,112.68) v1(195.24,53.56) v1(195.34,96.73) v1(195.34,37.61) v1(196.04,124.08) v1(196.04,122.13) v1(196.04,64.96) v1(196.04,63.01) v1(196.74,104.08) v1(196.74,44.96) v1(197.34,105.53) v1(197.34,102.63) v1(197.34,46.41) v1(197.34,43.51) v1(197.59,68.43) v1(197.59,66.48) v1(197.59,9.31) v1(197.59,7.36) v1(198.09,87.08) v1(198.09,27.96) v1(198.14,112.68) v1(198.14,53.56) v1(198.59,124.08) v1(198.59,122.13) v1(198.59,64.96) v1(198.59,63.01) v1(198.74,106.28) v1(198.74,104.08) v1(198.74,101.78) v1(198.74,47.16) v1(198.74,44.96) v1(198.74,42.66) v1(198.94,95.78) v1(198.94,36.66) v1(199.14,112.68) v1(199.14,53.56) v1(199.29,114.08) v1(199.29,54.96) v1(199.34,99.88) v1(199.34,40.76) v1(200.19,105.53) v1(200.19,103.38) v1(200.14,99.88) v1(200.14,68.43) v1(200.14,66.48) v1(200.19,46.41) v1(200.19,44.26) v1(200.14,40.76) v1(200.14,9.31) v1(200.14,7.36) v1(200.49,94.93) v1(200.49,35.81) v1(200.74,101.78) v1(200.74,42.66) v1(200.94,99.88) v1(200.94,40.76) v1(201.14,124.08) v1(201.14,122.13) v1(201.14,64.96) v1(201.14,63.01) v1(201.34,112.73) v1(201.34,106.98) v1(201.34,53.61) v1(201.34,47.86) v1(201.44,114.18) v1(201.44,55.06) v1(201.74,99.88) v1(201.74,40.76) v1(202.14,107.98) v1(202.14,48.86) v1(202.54,112.68) v1(202.54,53.56) v1(202.69,68.43) v1(202.69,66.48) v1(202.69,9.31) v1(202.69,7.36) v1(202.79,103.83) v1(202.79,44.71) v1(202.94,97.98) v1(202.94,38.86) v1(203.64,124.08) v1(203.64,122.13) v1(203.64,64.96) v1(203.64,63.01) v1(205.19,124.08) v1(205.19,122.13) v1(205.19,68.43) v1(205.19,66.48) v1(205.19,64.96) v1(205.19,63.01) v1(205.19,9.31) v1(205.19,7.36) v1(205.24,99.18) v1(205.24,40.06) v1(205.49,101.53) v1(205.49,42.41) v1(205.64,115.08) v1(205.64,55.96) v1(206.14,99.58) v1(206.14,40.46) v1(206.84,104.88) v1(206.84,45.76) v1(207.34,77.08) v1(207.34,17.96) v1(207.69,124.08) v1(207.69,122.13) v1(207.69,64.96) v1(207.69,63.01) v1(207.74,68.43) v1(207.74,66.48) v1(207.74,9.31) v1(207.74,7.36) v1(207.94,88.93) v1(207.94,29.81) v1(208.04,90.58) v1(208.04,31.46) v1(208.84,102.28) v1(208.84,43.16) v1(209.24,112.43) v1(209.24,53.31) v1(209.34,101.28) v1(209.34,42.16) v1(209.84,86.73) v1(209.84,27.61) v1(210.24,124.08) v1(210.24,122.13) v1(210.29,68.43) v1(210.29,66.48) v1(210.24,64.96) v1(210.24,63.01) v1(210.29,9.31) v1(210.29,7.36) v1(210.69,83.53) v1(210.69,24.41) v1(211.14,84.93) v1(211.14,25.81) v1(212.34,90.48) v1(212.34,31.36) v1(212.79,124.08) v1(212.79,122.13) v1(212.79,64.96) v1(212.79,63.01) v1(212.84,68.43) v1(212.84,66.48) v1(212.84,9.31) v1(212.84,7.36) v1(215.34,124.08) v1(215.34,122.13) v1(215.34,68.43) v1(215.34,66.48) v1(215.34,64.96) v1(215.34,63.01) v1(215.34,9.31) v1(215.34,7.36) v1(217.64,105.98) v1(217.64,95.98) v1(217.64,46.86) v1(217.64,36.86) v1(217.74,108.98) v1(217.74,49.86) v1(217.89,124.08) v1(217.89,122.13) v1(217.89,68.43) v1(217.89,66.48) v1(217.89,64.96) v1(217.89,63.01) v1(217.89,9.31) v1(217.89,7.36) v1(217.94,110.48) v1(217.94,107.48) v1(217.94,104.48) v1(217.94,101.48) v1(217.94,51.36) v1(217.94,48.36) v1(217.94,45.36) v1(217.94,42.36) v1(219.89,94.83) v1(219.89,35.71) v1(220.19,114.78) v1(220.19,55.66) v1(220.44,124.08) v1(220.44,122.13) v1(220.44,68.43) v1(220.44,66.48) v1(220.44,64.96) v1(220.44,63.01) v1(220.44,9.31) v1(220.44,7.36) v1(221.74,114.93) v1(221.74,55.81) v1(222.99,124.08) v1(222.99,122.13) v1(222.94,108.98) v1(222.94,107.48) v1(222.94,105.98) v1(222.94,102.68) v1(222.99,68.43) v1(222.99,66.48) v1(222.99,64.96) v1(222.99,63.01) v1(222.94,49.86) v1(222.94,48.36) v1(222.94,46.86) v1(222.94,43.56) v1(222.99,9.31) v1(222.99,7.36) v1(225.49,68.43) v1(225.49,66.48) v1(225.49,9.31) v1(225.49,7.36) v1(237,73.08) v1(237,70.08) v1(237,13.96) v1(237,10.96) v1(238.7,71.48) v1(238.7,12.36) v1(241,120.68) v1(241,61.56) v1(241.85,119.18) v1(241.85,60.06) v1(242,111.18) v1(242,104.78) v1(242,52.06) v1(242,45.66) v1(242.35,67.28) v1(242.35,8.16) v1(243.7,111.78) v1(243.7,104.18) v1(243.7,52.66) v1(243.7,45.06) v1(244.6,119.68) v1(244.6,60.56) v1(245.6,69.93) v1(245.6,10.81) v1(245.95,67.93) v1(245.95,8.81) v1(247.05,74.38) v1(247.05,15.26) v1(250.9,90.13) v1(250.9,31.01) v1(251.05,87.63) v1(251.05,28.51) v1(251.5,84.63) v1(251.5,25.51) v1(251.65,88.23) v1(251.65,29.11) v1(252.65,124.03) v1(252.65,122.08) v1(252.65,64.91) v1(252.65,62.96) v1(253.8,87.73) v1(253.8,28.61) v1(254.35,94.58) v1(254.35,35.46) v1(255.1,113.98) v1(255.1,54.86) v1(255.2,124.03) v1(255.2,64.91) v1(255.5,96.88) v1(255.5,37.76) v1(256.3,89.73) v1(256.3,88.98) v1(256.3,88.18) v1(256.3,86.98) v1(256.3,30.61) v1(256.3,29.86) v1(256.3,29.06) v1(256.3,27.86) v1(257.25,103.53) v1(257.25,100.28) v1(257.25,90.48) v1(257.25,85.83) v1(257.25,44.41) v1(257.25,41.16) v1(257.25,31.36) v1(257.25,26.71) v1(257.7,124.03) v1(257.7,122.08) v1(257.7,64.91) v1(257.7,62.96) v1(257.9,82.48) v1(257.9,23.36) v1(257.95,90.48) v1(257.95,89.73) v1(257.95,88.98) v1(257.95,88.18) v1(257.95,31.36) v1(257.95,30.61) v1(257.95,29.86) v1(257.95,29.06) v1(258.85,90.48) v1(258.85,31.36) v1(259.35,85.83) v1(259.35,85.13) v1(259.35,84.48) v1(259.35,26.71) v1(259.35,26.01) v1(259.35,25.36) v1(259.9,99.73) v1(259.85,90.48) v1(259.85,88.98) v1(259.85,87.98) v1(259.85,85.83) v1(259.85,85.13) v1(259.85,84.48) v1(259.9,40.61) v1(259.85,31.36) v1(259.85,29.86) v1(259.85,28.86) v1(259.85,26.71) v1(259.85,26.01)